# Altium PCB Hvamp_32.PCBDOC (part 1 of 6) (continued)
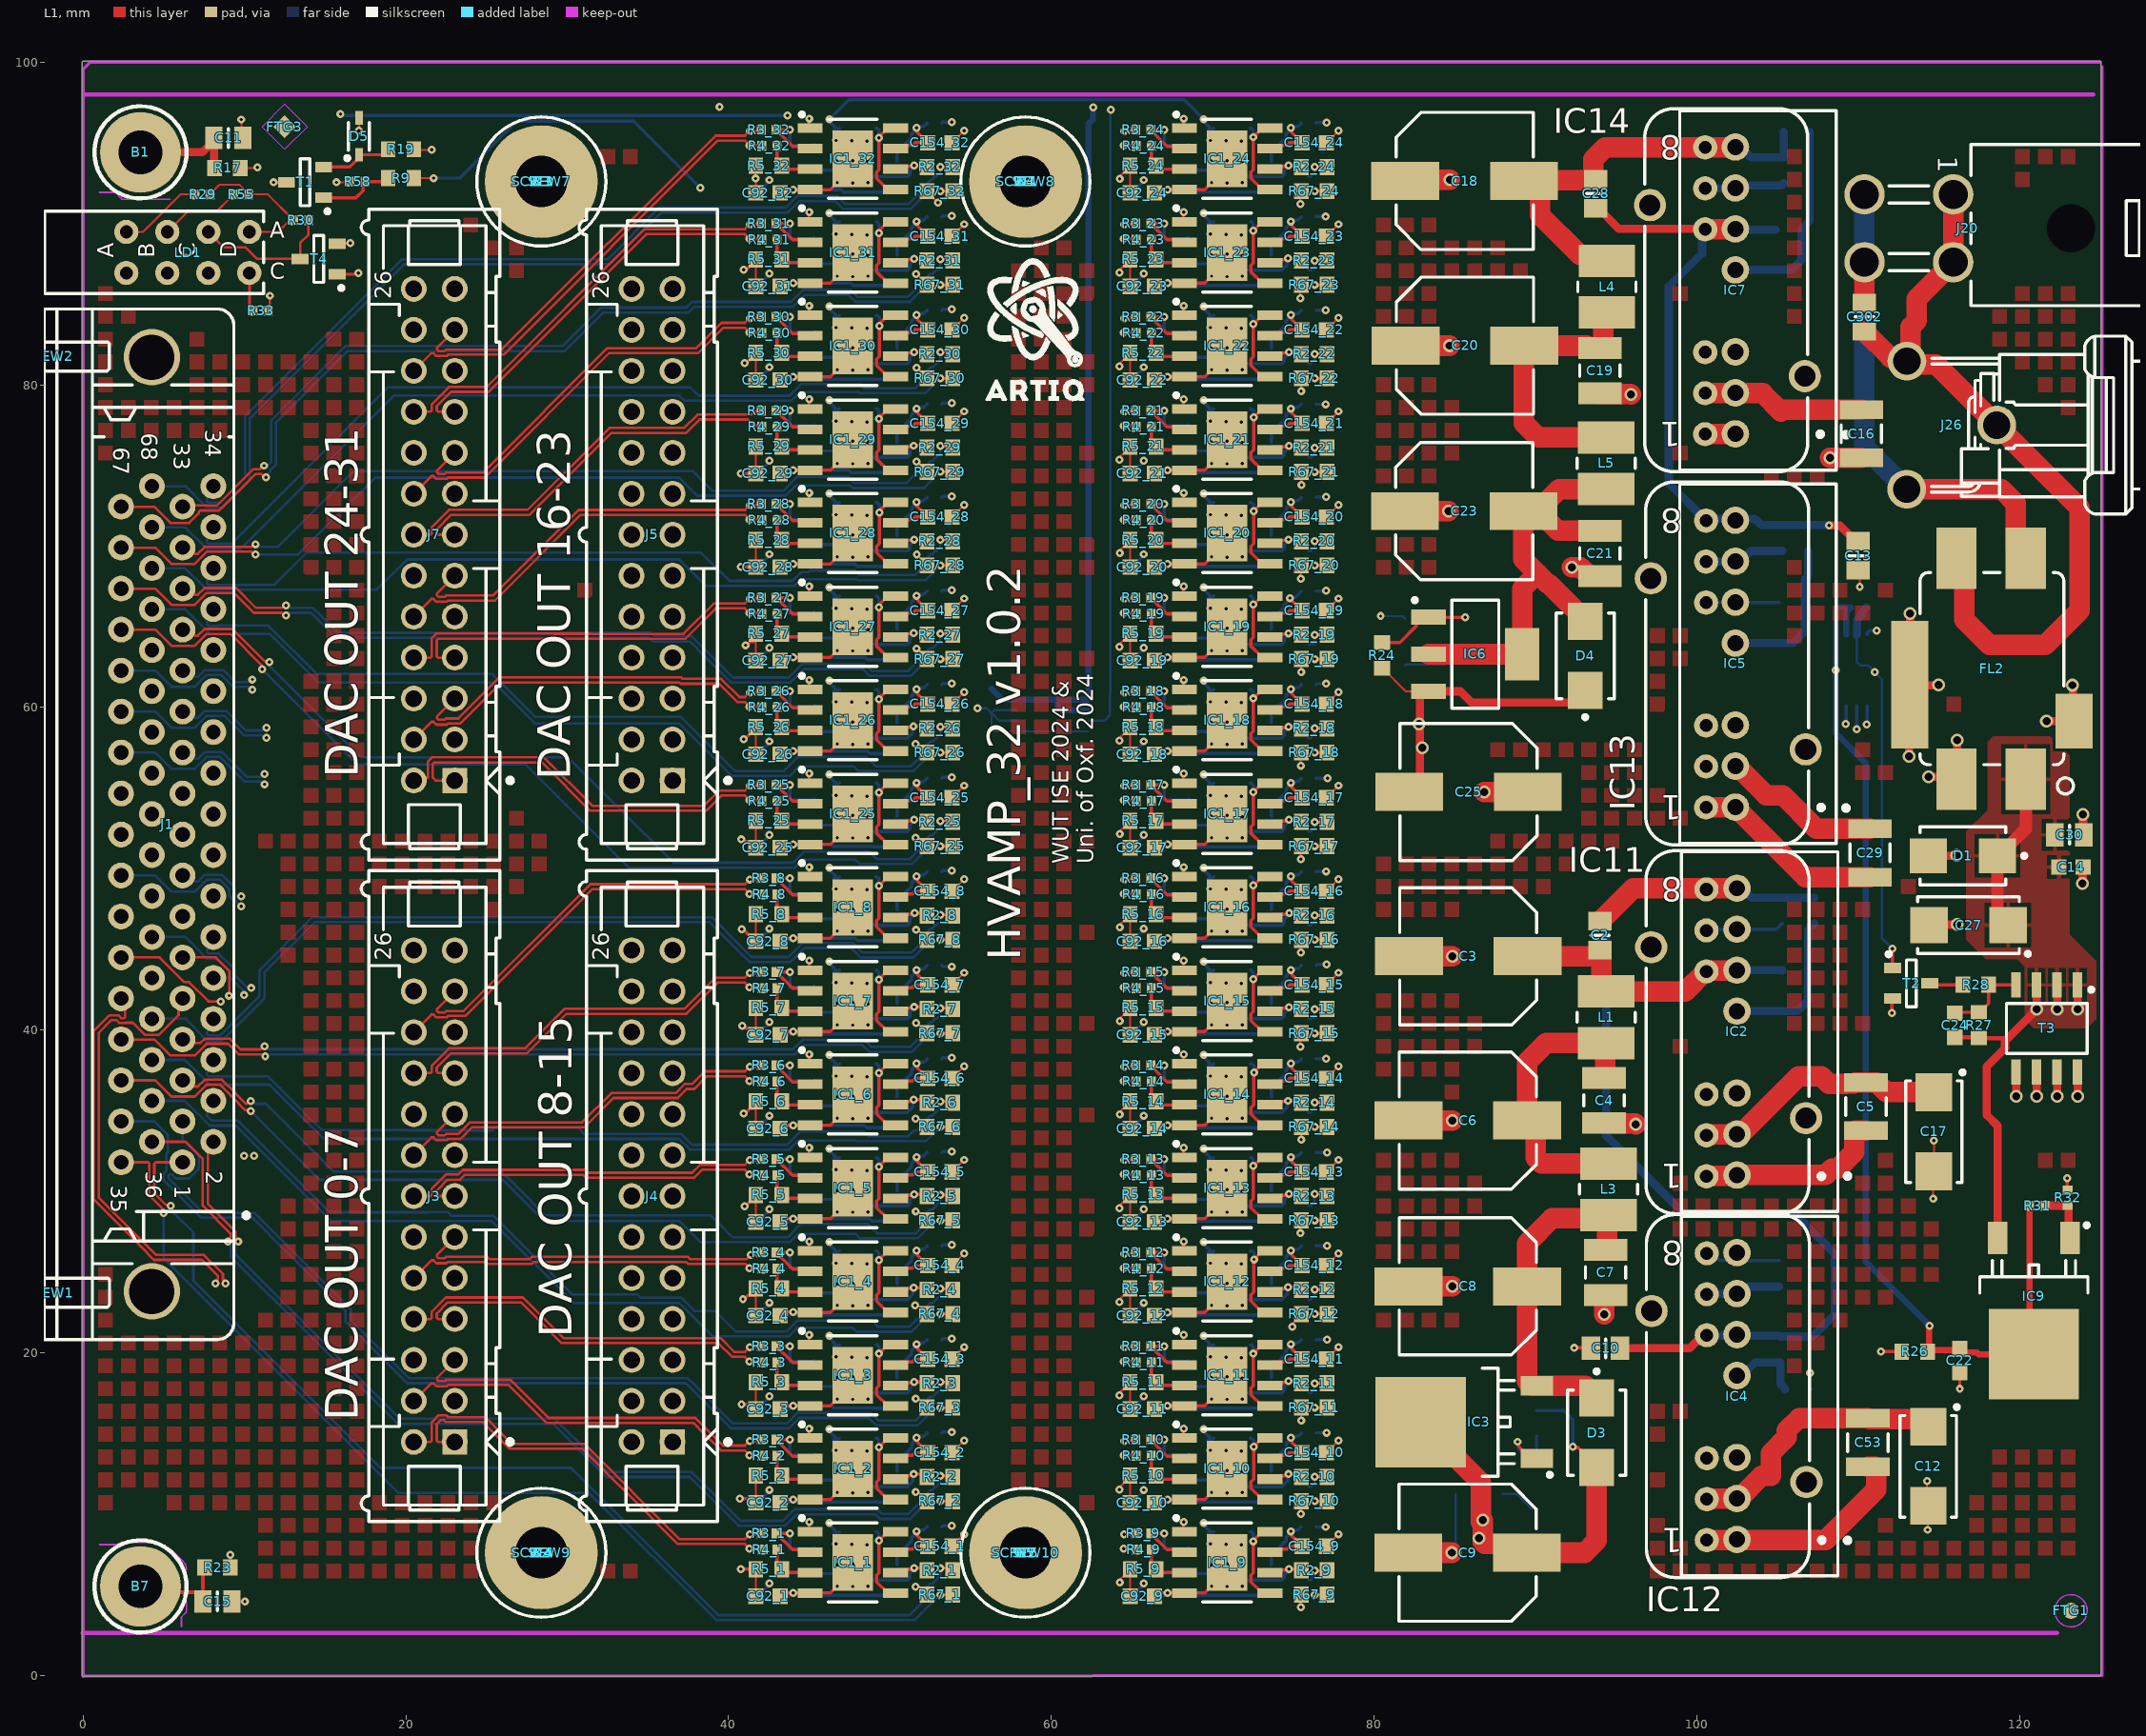
[diagram p0: L1 view]
## Classes and differential pairs
channel class Amp_channel: AMP_channel1 AMP_channel2 AMP_channel3 AMP_channel4 AMP_channel5 AMP_channel6 AMP_channel7 AMP_channel8 AMP_channel9 AMP_channel10 AMP_channel11 AMP_channel12 AMP_channel13 AMP_channel14 AMP_channel15 AMP_channel16 AMP_channel17 AMP_channel18 AMP_channel19 AMP_channel20 AMP_channel21 AMP_channel22 AMP_channel23 AMP_channel24 AMP_channel25 AMP_channel26 AMP_channel27 AMP_channel28 AMP_channel29 AMP_channel30 AMP_channel31 AMP_channel32
net class OUT_P[32..1]: OUT_P1 OUT_P2 OUT_P3 OUT_P4 OUT_P5 OUT_P6 OUT_P7 OUT_P8 OUT_P9 OUT_P10 OUT_P11 OUT_P12 OUT_P13 OUT_P14 OUT_P15 OUT_P16 OUT_P17 OUT_P18 OUT_P19 OUT_P20 OUT_P21 OUT_P22 OUT_P23 OUT_P24 OUT_P25 OUT_P26 OUT_P27 OUT_P28 OUT_P29 OUT_P30 OUT_P31 OUT_P32
net class OUT_N[32..1]: OUT_N1 OUT_N2 OUT_N3 OUT_N4 OUT_N5 OUT_N6 OUT_N7 OUT_N8 OUT_N9 OUT_N10 OUT_N11 OUT_N12 OUT_N13 OUT_N14 OUT_N15 OUT_N16 OUT_N17 OUT_N18 OUT_N19 OUT_N20 OUT_N21 OUT_N22 OUT_N23 OUT_N24 OUT_N25 OUT_N26 OUT_N27 OUT_N28 OUT_N29 OUT_N30 OUT_N31 OUT_N32
net class IN_P[32..1]: IN_P1 IN_P2 IN_P3 IN_P4 IN_P5 IN_P6 IN_P7 IN_P8 IN_P9 IN_P10 IN_P11 IN_P12 IN_P13 IN_P14 IN_P15 IN_P16 IN_P17 IN_P18 IN_P19 IN_P20 IN_P21 IN_P22 IN_P23 IN_P24 IN_P25 IN_P26 IN_P27 IN_P28 IN_P29 IN_P30 IN_P31 IN_P32
net class IN_N[32..1]: IN_N1 IN_N2 IN_N3 IN_N4 IN_N5 IN_N6 IN_N7 IN_N8 IN_N9 IN_N10 IN_N11 IN_N12 IN_N13 IN_N14 IN_N15 IN_N16 IN_N17 IN_N18 IN_N19 IN_N20 IN_N21 IN_N22 IN_N23 IN_N24 IN_N25 IN_N26 IN_N27 IN_N28 IN_N29 IN_N30 IN_N31 IN_N32
component class HVamp_32_Supply: B2 B3 B4 B5 C2 C3 C4 C5 C6 C7 C8 C9 C10 C12 C13 C14 C16 C17 C18 C19 C20 C21 C22 C23 C24 C25 C26 C27 C28 C29 C30 C53 C302 D1 D3 D4 D5 FL2 IC2 IC3 IC4 IC5 IC6 IC7 IC8 IC9 IC10 IC11 IC12 IC13 IC14 J20 J26 L1 L3 L4 L5 LD1 R6 R7 R8 R9 R10 R11 R12 R13 R14 R15 R16 R18 R19 R20 R21 R22 R24 R25 R26 R27 R28 R29 R30 R31 R32 R33 R34 R35 R46 R55 R58 T1 T2 T3 T4
component class AMP_channel32: C1_32 C92_32 C154_32 D2_32 D21_32 IC1_32 L2_32 L18_32 R1_32 R2_32 R3_32 R4_32 R5_32 R67_32
component class AMP_channel31: C1_31 C92_31 C154_31 D2_31 D21_31 IC1_31 L2_31 L18_31 R1_31 R2_31 R3_31 R4_31 R5_31 R67_31
component class AMP_channel30: C1_30 C92_30 C154_30 D2_30 D21_30 IC1_30 L2_30 L18_30 R1_30 R2_30 R3_30 R4_30 R5_30 R67_30
component class AMP_channel29: C1_29 C92_29 C154_29 D2_29 D21_29 IC1_29 L2_29 L18_29 R1_29 R2_29 R3_29 R4_29 R5_29 R67_29
component class AMP_channel28: C1_28 C92_28 C154_28 D2_28 D21_28 IC1_28 L2_28 L18_28 R1_28 R2_28 R3_28 R4_28 R5_28 R67_28
component class AMP_channel27: C1_27 C92_27 C154_27 D2_27 D21_27 IC1_27 L2_27 L18_27 R1_27 R2_27 R3_27 R4_27 R5_27 R67_27
component class AMP_channel26: C1_26 C92_26 C154_26 D2_26 D21_26 IC1_26 L2_26 L18_26 R1_26 R2_26 R3_26 R4_26 R5_26 R67_26
component class AMP_channel25: C1_25 C92_25 C154_25 D2_25 D21_25 IC1_25 L2_25 L18_25 R1_25 R2_25 R3_25 R4_25 R5_25 R67_25
component class AMP_channel24: C1_24 C92_24 C154_24 D2_24 D21_24 IC1_24 L2_24 L18_24 R1_24 R2_24 R3_24 R4_24 R5_24 R67_24
component class AMP_channel23: C1_23 C92_23 C154_23 D2_23 D21_23 IC1_23 L2_23 L18_23 R1_23 R2_23 R3_23 R4_23 R5_23 R67_23
component class AMP_channel22: C1_22 C92_22 C154_22 D2_22 D21_22 IC1_22 L2_22 L18_22 R1_22 R2_22 R3_22 R4_22 R5_22 R67_22
component class AMP_channel21: C1_21 C92_21 C154_21 D2_21 D21_21 IC1_21 L2_21 L18_21 R1_21 R2_21 R3_21 R4_21 R5_21 R67_21
component class AMP_channel20: C1_20 C92_20 C154_20 D2_20 D21_20 IC1_20 L2_20 L18_20 R1_20 R2_20 R3_20 R4_20 R5_20 R67_20
component class AMP_channel19: C1_19 C92_19 C154_19 D2_19 D21_19 IC1_19 L2_19 L18_19 R1_19 R2_19 R3_19 R4_19 R5_19 R67_19
component class AMP_channel18: C1_18 C92_18 C154_18 D2_18 D21_18 IC1_18 L2_18 L18_18 R1_18 R2_18 R3_18 R4_18 R5_18 R67_18
component class AMP_channel17: C1_17 C92_17 C154_17 D2_17 D21_17 IC1_17 L2_17 L18_17 R1_17 R2_17 R3_17 R4_17 R5_17 R67_17
component class AMP_channel16: C1_16 C92_16 C154_16 D2_16 D21_16 IC1_16 L2_16 L18_16 R1_16 R2_16 R3_16 R4_16 R5_16 R67_16
component class AMP_channel15: C1_15 C92_15 C154_15 D2_15 D21_15 IC1_15 L2_15 L18_15 R1_15 R2_15 R3_15 R4_15 R5_15 R67_15
component class AMP_channel14: C1_14 C92_14 C154_14 D2_14 D21_14 IC1_14 L2_14 L18_14 R1_14 R2_14 R3_14 R4_14 R5_14 R67_14
component class AMP_channel13: C1_13 C92_13 C154_13 D2_13 D21_13 IC1_13 L2_13 L18_13 R1_13 R2_13 R3_13 R4_13 R5_13 R67_13
component class AMP_channel12: C1_12 C92_12 C154_12 D2_12 D21_12 IC1_12 L2_12 L18_12 R1_12 R2_12 R3_12 R4_12 R5_12 R67_12
component class AMP_channel11: C1_11 C92_11 C154_11 D2_11 D21_11 IC1_11 L2_11 L18_11 R1_11 R2_11 R3_11 R4_11 R5_11 R67_11
component class AMP_channel10: C1_10 C92_10 C154_10 D2_10 D21_10 IC1_10 L2_10 L18_10 R1_10 R2_10 R3_10 R4_10 R5_10 R67_10
component class AMP_channel9: C1_9 C92_9 C154_9 D2_9 D21_9 IC1_9 L2_9 L18_9 R1_9 R2_9 R3_9 R4_9 R5_9 R67_9
component class AMP_channel8: C1_8 C92_8 C154_8 D2_8 D21_8 IC1_8 L2_8 L18_8 R1_8 R2_8 R3_8 R4_8 R5_8 R67_8
component class AMP_channel7: C1_7 C92_7 C154_7 D2_7 D21_7 IC1_7 L2_7 L18_7 R1_7 R2_7 R3_7 R4_7 R5_7 R67_7
component class AMP_channel6: C1_6 C92_6 C154_6 D2_6 D21_6 IC1_6 L2_6 L18_6 R1_6 R2_6 R3_6 R4_6 R5_6 R67_6
component class AMP_channel5: C1_5 C92_5 C154_5 D2_5 D21_5 IC1_5 L2_5 L18_5 R1_5 R2_5 R3_5 R4_5 R5_5 R67_5
component class AMP_channel4: C1_4 C92_4 C154_4 D2_4 D21_4 IC1_4 L2_4 L18_4 R1_4 R2_4 R3_4 R4_4 R5_4 R67_4
component class AMP_channel3: C1_3 C92_3 C154_3 D2_3 D21_3 IC1_3 L2_3 L18_3 R1_3 R2_3 R3_3 R4_3 R5_3 R67_3
component class AMP_channel2: C1_2 C92_2 C154_2 D2_2 D21_2 IC1_2 L2_2 L18_2 R1_2 R2_2 R3_2 R4_2 R5_2 R67_2
component class AMP_channel1: C1_1 C92_1 C154_1 D2_1 D21_1 IC1_1 L2_1 L18_1 R1_1 R2_1 R3_1 R4_1 R5_1 R67_1
net class Hpower: P12V0 P12V0_SW
component class Hvamp_32: B1 B7 B? C11 C15 FTG1 FTG2 FTG3 FTG4 J1 J2 J3 J4 J5 J6 J7 J8 J9 R17 R23 SCREW1 SCREW2 SCREW3 SCREW4 SCREW5 SCREW6 SCREW7 SCREW8 SCREW9 SCREW10 ST1 ST3 ST4 ST5 W1 W2 W3 W4
differential pair IN32: +IN_P32 -IN_N32
differential pair IN31: +IN_P31 -IN_N31
differential pair IN30: +IN_P30 -IN_N30
differential pair IN29: +IN_P29 -IN_N29
differential pair IN28: +IN_P28 -IN_N28
differential pair IN27: +IN_P27 -IN_N27
differential pair IN26: +IN_P26 -IN_N26
differential pair IN25: +IN_P25 -IN_N25
differential pair IN24: +IN_P24 -IN_N24
differential pair IN23: +IN_P23 -IN_N23
differential pair IN22: +IN_P22 -IN_N22
differential pair IN21: +IN_P21 -IN_N21
differential pair IN20: +IN_P20 -IN_N20
differential pair IN19: +IN_P19 -IN_N19
differential pair IN18: +IN_P18 -IN_N18
differential pair IN17: +IN_P17 -IN_N17
differential pair IN16: +IN_P16 -IN_N16
differential pair IN15: +IN_P15 -IN_N15
differential pair IN14: +IN_P14 -IN_N14
differential pair IN13: +IN_P13 -IN_N13
differential pair IN12: +IN_P12 -IN_N12
differential pair IN11: +IN_P11 -IN_N11
differential pair IN10: +IN_P10 -IN_N10
differential pair IN9: +IN_P9 -IN_N9
differential pair IN8: +IN_P8 -IN_N8
differential pair IN7: +IN_P7 -IN_N7
differential pair IN6: +IN_P6 -IN_N6
differential pair IN5: +IN_P5 -IN_N5
differential pair IN4: +IN_P4 -IN_N4
differential pair IN3: +IN_P3 -IN_N3
differential pair IN2: +IN_P2 -IN_N2
differential pair IN1: +IN_P1 -IN_N1
differential pair OUT32: +OUT_P32 -OUT_N32
differential pair OUT31: +OUT_P31 -OUT_N31
differential pair OUT30: +OUT_P30 -OUT_N30
differential pair OUT29: +OUT_P29 -OUT_N29
differential pair OUT28: +OUT_P28 -OUT_N28
differential pair OUT27: +OUT_P27 -OUT_N27
differential pair OUT26: +OUT_P26 -OUT_N26
differential pair OUT25: +OUT_P25 -OUT_N25
differential pair OUT24: +OUT_P24 -OUT_N24
differential pair OUT23: +OUT_P23 -OUT_N23
differential pair OUT22: +OUT_P22 -OUT_N22
differential pair OUT21: +OUT_P21 -OUT_N21
differential pair OUT20: +OUT_P20 -OUT_N20
differential pair OUT19: +OUT_P19 -OUT_N19
differential pair OUT18: +OUT_P18 -OUT_N18
differential pair OUT17: +OUT_P17 -OUT_N17
differential pair OUT16: +OUT_P16 -OUT_N16
differential pair OUT15: +OUT_P15 -OUT_N15
differential pair OUT14: +OUT_P14 -OUT_N14
differential pair OUT13: +OUT_P13 -OUT_N13
differential pair OUT12: +OUT_P12 -OUT_N12
differential pair OUT11: +OUT_P11 -OUT_N11
differential pair OUT10: +OUT_P10 -OUT_N10
differential pair OUT9: +OUT_P9 -OUT_N9
differential pair OUT8: +OUT_P8 -OUT_N8
differential pair OUT7: +OUT_P7 -OUT_N7
differential pair OUT6: +OUT_P6 -OUT_N6
differential pair OUT5: +OUT_P5 -OUT_N5
differential pair OUT4: +OUT_P4 -OUT_N4
differential pair OUT3: +OUT_P3 -OUT_N3
differential pair OUT2: +OUT_P2 -OUT_N2
differential pair OUT1: +OUT_P1 -OUT_N1

## Components (designator, comment, footprint, x,y, rotation, side; value= is the part's Value field where it differs from the comment)
B1 "Plated Hole" MTG270_500 3.556,94.412 r0 top locked
B2 "Plated Hole" MTG320_700 28.4,7.6 r0 top locked
B3 "Plated Hole" MTG320_700 28.4,92.6 r0 top locked
B4 "Plated Hole" MTG320_700 58.4,92.6 r0 top locked
B5 "Plated Hole" MTG320_700 58.4,7.6 r0 top locked
B7 "Plated Hole" MTG270_500 3.556,5.512 r0 top locked
C1_1 "5.6pF" CAPC1608X87N 43.8,7.1 r270 bottom (schematic designator C1)
C1_2 "5.6pF" CAPC1608X87N 43.8,12.9 r270 bottom (schematic designator C1)
C1_3 "5.6pF" CAPC1608X87N 43.8,18.7 r270 bottom (schematic designator C1)
C1_4 "5.6pF" CAPC1608X87N 43.8,24.5 r270 bottom (schematic designator C1)
C1_5 "5.6pF" CAPC1608X87N 43.8,30.3 r270 bottom (schematic designator C1)
C1_6 "5.6pF" CAPC1608X87N 43.8,36.1 r270 bottom (schematic designator C1)
C1_7 "5.6pF" CAPC1608X87N 43.8,41.9 r270 bottom (schematic designator C1)
C1_8 "5.6pF" CAPC1608X87N 43.8,47.7 r270 bottom (schematic designator C1)
C1_9 "5.6pF" CAPC1608X87N 67,7.1 r270 bottom (schematic designator C1)
C1_10 "5.6pF" CAPC1608X87N 67,12.9 r270 bottom (schematic designator C1)
C1_11 "5.6pF" CAPC1608X87N 67,18.7 r270 bottom (schematic designator C1)
C1_12 "5.6pF" CAPC1608X87N 67,24.5 r270 bottom (schematic designator C1)
C1_13 "5.6pF" CAPC1608X87N 67,30.3 r270 bottom (schematic designator C1)
C1_14 "5.6pF" CAPC1608X87N 67,36.1 r270 bottom (schematic designator C1)
C1_15 "5.6pF" CAPC1608X87N 67,41.9 r270 bottom (schematic designator C1)
C1_16 "5.6pF" CAPC1608X87N 67,47.7 r270 bottom (schematic designator C1)
C1_17 "5.6pF" CAPC1608X87N 67,53.5 r270 bottom (schematic designator C1)
C1_18 "5.6pF" CAPC1608X87N 67,59.3 r270 bottom (schematic designator C1)
C1_19 "5.6pF" CAPC1608X87N 67,65.1 r270 bottom (schematic designator C1)
C1_20 "5.6pF" CAPC1608X87N 67,70.9 r270 bottom (schematic designator C1)
C1_21 "5.6pF" CAPC1608X87N 67,76.7 r270 bottom (schematic designator C1)
C1_22 "5.6pF" CAPC1608X87N 67,82.5 r270 bottom (schematic designator C1)
C1_23 "5.6pF" CAPC1608X87N 67,88.3 r270 bottom (schematic designator C1)
C1_24 "5.6pF" CAPC1608X87N 67,94.1 r270 bottom (schematic designator C1)
C1_25 "5.6pF" CAPC1608X87N 43.8,53.5 r270 bottom (schematic designator C1)
C1_26 "5.6pF" CAPC1608X87N 43.8,59.3 r270 bottom (schematic designator C1)
C1_27 "5.6pF" CAPC1608X87N 43.8,65.1 r270 bottom (schematic designator C1)
C1_28 "5.6pF" CAPC1608X87N 43.8,70.9 r270 bottom (schematic designator C1)
C1_29 "5.6pF" CAPC1608X87N 43.8,76.7 r270 bottom (schematic designator C1)
C1_30 "5.6pF" CAPC1608X87N 43.8,82.5 r270 bottom (schematic designator C1)
C1_31 "5.6pF" CAPC1608X87N 43.8,88.3 r270 bottom (schematic designator C1)
C1_32 "5.6pF" CAPC1608X87N 43.8,94.1 r270 bottom (schematic designator C1)
C2 "10uF" CAPC2012X145N 94.005,45.858 r270 top
C3 "4.7uF" CAPAE9383X100M 85.844,44.577 r180 top
C4 "2.2uF" CAPC3225X230N 94.259,35.636 r270 top
C5 "47uF" CAPC3225X270N 110.49,35.255 r90 top
C6 "4.7uF" CAPAE9383X100M 85.819,34.392 r180 top
C7 "2.2uF" CAPC3225X230N 94.361,24.968 r270 top
C8 "4.7uF" CAPAE9383X100M 85.819,24.105 r180 top
C9 "4.7uF" CAPAE9383X100M 85.8,7.6 r180 top
C10 "10uF" CAPC2012X145N 94.361,20.269 r0 top
C11 "Undefined" CAPC2012X135N 9,95.3 r0 top
C12 "10uF" CAPMP6032X280N 114.351,12.954 r270 top
C13 "10uF" CAPC2012X145N 110,69.4 r270 top
C14 "100nF" CAPC1608X90N 123.2,50.1 r180 top
C15 "Undefined" CAPC2012X135N 8.324,4.581 r0 top
C16 "47uF" CAPC3225X270N 110.211,76.962 r90 top
C17 "10uF" CAPMP6032X280N 114.7,33.7 r270 top
C18 "4.7uF" CAPAE9383X100M 85.615,92.634 r0 top
C19 "2.2uF" CAPC3225X230N 94.005,80.874 r90 top
C20 "4.7uF" CAPAE9383X100M 85.641,82.423 r0 top
C21 "2.2uF" CAPC3225X230N 94.005,69.545 r90 top
C22 "100nF" CAPC1608X90N 116.3,19.5 r90 top
C23 "4.7uF" CAPAE9383X100M 85.59,72.161 r0 top
C24 "100nF" CAPC1608X90N 116,40.3 r90 top
C25 "4.7uF" CAPAE9383X100M 85.869,54.762 r180 top
C26 "100nF" CAPC1608X90N 56.3,60.4 r90 bottom
C27 "10uF" CAPMP6032X280N 116.85,46.5 r180 top
C28 "10uF" CAPC2012X145N 93.751,91.846 r270 top
C29 "47uF" CAPC3225X270N 110.744,50.978 r90 top
C30 "10uF" CAPC2012X95N 123.1,52.1 r180 top
C53 "47uF" CAPC3225X270N 110.617,14.427 r90 top
C92_1 "100nF" CAPC1608X90N 42.443,4.897 r0 top (schematic designator C92)
C92_2 "100nF" CAPC1608X90N 42.443,10.697 r0 top (schematic designator C92)
C92_3 "100nF" CAPC1608X90N 42.443,16.497 r0 top (schematic designator C92)
C92_4 "100nF" CAPC1608X90N 42.443,22.297 r0 top (schematic designator C92)
C92_5 "100nF" CAPC1608X90N 42.443,28.097 r0 top (schematic designator C92)
C92_6 "100nF" CAPC1608X90N 42.443,33.897 r0 top (schematic designator C92)
C92_7 "100nF" CAPC1608X90N 42.443,39.697 r0 top (schematic designator C92)
C92_8 "100nF" CAPC1608X90N 42.443,45.497 r0 top (schematic designator C92)
C92_9 "100nF" CAPC1608X90N 65.643,4.897 r0 top (schematic designator C92)
C92_10 "100nF" CAPC1608X90N 65.643,10.697 r0 top (schematic designator C92)
C92_11 "100nF" CAPC1608X90N 65.643,16.497 r0 top (schematic designator C92)
C92_12 "100nF" CAPC1608X90N 65.643,22.297 r0 top (schematic designator C92)
C92_13 "100nF" CAPC1608X90N 65.643,28.097 r0 top (schematic designator C92)
C92_14 "100nF" CAPC1608X90N 65.643,33.897 r0 top (schematic designator C92)
C92_15 "100nF" CAPC1608X90N 65.643,39.697 r0 top (schematic designator C92)
C92_16 "100nF" CAPC1608X90N 65.643,45.497 r0 top (schematic designator C92)
C92_17 "100nF" CAPC1608X90N 65.643,51.297 r0 top (schematic designator C92)
C92_18 "100nF" CAPC1608X90N 65.643,57.097 r0 top (schematic designator C92)
C92_19 "100nF" CAPC1608X90N 65.643,62.897 r0 top (schematic designator C92)
C92_20 "100nF" CAPC1608X90N 65.643,68.697 r0 top (schematic designator C92)
C92_21 "100nF" CAPC1608X90N 65.643,74.497 r0 top (schematic designator C92)
C92_22 "100nF" CAPC1608X90N 65.643,80.297 r0 top (schematic designator C92)
C92_23 "100nF" CAPC1608X90N 65.643,86.097 r0 top (schematic designator C92)
C92_24 "100nF" CAPC1608X90N 65.643,91.897 r0 top (schematic designator C92)
C92_25 "100nF" CAPC1608X90N 42.443,51.297 r0 top (schematic designator C92)
C92_26 "100nF" CAPC1608X90N 42.443,57.097 r0 top (schematic designator C92)
C92_27 "100nF" CAPC1608X90N 42.443,62.897 r0 top (schematic designator C92)
C92_28 "100nF" CAPC1608X90N 42.443,68.697 r0 top (schematic designator C92)
C92_29 "100nF" CAPC1608X90N 42.443,74.497 r0 top (schematic designator C92)
C92_30 "100nF" CAPC1608X90N 42.443,80.297 r0 top (schematic designator C92)
C92_31 "100nF" CAPC1608X90N 42.443,86.097 r0 top (schematic designator C92)
C92_32 "100nF" CAPC1608X90N 42.443,91.897 r0 top (schematic designator C92)
C154_1 "100nF" CAPC1608X90N 53.1,8 r180 top (schematic designator C154)
C154_2 "100nF" CAPC1608X90N 53.1,13.8 r180 top (schematic designator C154)
C154_3 "100nF" CAPC1608X90N 53.1,19.6 r180 top (schematic designator C154)
C154_4 "100nF" CAPC1608X90N 53.1,25.4 r180 top (schematic designator C154)
C154_5 "100nF" CAPC1608X90N 53.1,31.2 r180 top (schematic designator C154)
C154_6 "100nF" CAPC1608X90N 53.1,37 r180 top (schematic designator C154)
C154_7 "100nF" CAPC1608X90N 53.1,42.8 r180 top (schematic designator C154)
C154_8 "100nF" CAPC1608X90N 53.1,48.6 r180 top (schematic designator C154)
C154_9 "100nF" CAPC1608X90N 76.3,8 r180 top (schematic designator C154)
C154_10 "100nF" CAPC1608X90N 76.3,13.8 r180 top (schematic designator C154)
C154_11 "100nF" CAPC1608X90N 76.3,19.6 r180 top (schematic designator C154)
C154_12 "100nF" CAPC1608X90N 76.3,25.4 r180 top (schematic designator C154)
C154_13 "100nF" CAPC1608X90N 76.3,31.2 r180 top (schematic designator C154)
C154_14 "100nF" CAPC1608X90N 76.3,37 r180 top (schematic designator C154)
C154_15 "100nF" CAPC1608X90N 76.3,42.8 r180 top (schematic designator C154)
C154_16 "100nF" CAPC1608X90N 76.3,48.6 r180 top (schematic designator C154)
C154_17 "100nF" CAPC1608X90N 76.3,54.4 r180 top (schematic designator C154)
C154_18 "100nF" CAPC1608X90N 76.3,60.2 r180 top (schematic designator C154)
C154_19 "100nF" CAPC1608X90N 76.3,66 r180 top (schematic designator C154)
C154_20 "100nF" CAPC1608X90N 76.3,71.8 r180 top (schematic designator C154)
C154_21 "100nF" CAPC1608X90N 76.3,77.6 r180 top (schematic designator C154)
C154_22 "100nF" CAPC1608X90N 76.3,83.4 r180 top (schematic designator C154)
C154_23 "100nF" CAPC1608X90N 76.3,89.2 r180 top (schematic designator C154)
C154_24 "100nF" CAPC1608X90N 76.3,95 r180 top (schematic designator C154)
C154_25 "100nF" CAPC1608X90N 53.1,54.4 r180 top (schematic designator C154)
C154_26 "100nF" CAPC1608X90N 53.1,60.2 r180 top (schematic designator C154)
C154_27 "100nF" CAPC1608X90N 53.1,66 r180 top (schematic designator C154)
C154_28 "100nF" CAPC1608X90N 53.1,71.8 r180 top (schematic designator C154)
C154_29 "100nF" CAPC1608X90N 53.1,77.6 r180 top (schematic designator C154)
C154_30 "100nF" CAPC1608X90N 53.1,83.4 r180 top (schematic designator C154)
C154_31 "100nF" CAPC1608X90N 53.1,89.2 r180 top (schematic designator C154)
C154_32 "100nF" CAPC1608X90N 53.1,95 r180 top (schematic designator C154)
C302 "10uF" CAPC2012X95N 110.4,84.2 r90 top
D1 "SMBJ12A" DIOM5336X265N 116.5,50.8 r180 top
D2_1 "1N4148WS" SODFL2512X100N 48,8.9 r180 bottom (schematic designator D2)
D2_2 "1N4148WS" SODFL2512X100N 48,14.7 r180 bottom (schematic designator D2)
D2_3 "1N4148WS" SODFL2512X100N 48,20.5 r180 bottom (schematic designator D2)
D2_4 "1N4148WS" SODFL2512X100N 48,26.3 r180 bottom (schematic designator D2)
D2_5 "1N4148WS" SODFL2512X100N 48,32.1 r180 bottom (schematic designator D2)
D2_6 "1N4148WS" SODFL2512X100N 48,37.9 r180 bottom (schematic designator D2)
D2_7 "1N4148WS" SODFL2512X100N 48,43.7 r180 bottom (schematic designator D2)
D2_8 "1N4148WS" SODFL2512X100N 48,49.5 r180 bottom (schematic designator D2)
D2_9 "1N4148WS" SODFL2512X100N 71.2,8.9 r180 bottom (schematic designator D2)
D2_10 "1N4148WS" SODFL2512X100N 71.2,14.7 r180 bottom (schematic designator D2)
D2_11 "1N4148WS" SODFL2512X100N 71.2,20.5 r180 bottom (schematic designator D2)
D2_12 "1N4148WS" SODFL2512X100N 71.2,26.3 r180 bottom (schematic designator D2)
D2_13 "1N4148WS" SODFL2512X100N 71.2,32.1 r180 bottom (schematic designator D2)
D2_14 "1N4148WS" SODFL2512X100N 71.2,37.9 r180 bottom (schematic designator D2)
D2_15 "1N4148WS" SODFL2512X100N 71.2,43.7 r180 bottom (schematic designator D2)
D2_16 "1N4148WS" SODFL2512X100N 71.2,49.5 r180 bottom (schematic designator D2)
D2_17 "1N4148WS" SODFL2512X100N 71.2,55.3 r180 bottom (schematic designator D2)
D2_18 "1N4148WS" SODFL2512X100N 71.2,61.1 r180 bottom (schematic designator D2)
D2_19 "1N4148WS" SODFL2512X100N 71.2,66.9 r180 bottom (schematic designator D2)
D2_20 "1N4148WS" SODFL2512X100N 71.2,72.7 r180 bottom (schematic designator D2)
D2_21 "1N4148WS" SODFL2512X100N 71.2,78.5 r180 bottom (schematic designator D2)
D2_22 "1N4148WS" SODFL2512X100N 71.2,84.3 r180 bottom (schematic designator D2)
D2_23 "1N4148WS" SODFL2512X100N 71.2,90.1 r180 bottom (schematic designator D2)
D2_24 "1N4148WS" SODFL2512X100N 71.2,95.9 r180 bottom (schematic designator D2)
D2_25 "1N4148WS" SODFL2512X100N 48,55.3 r180 bottom (schematic designator D2)
D2_26 "1N4148WS" SODFL2512X100N 48,61.1 r180 bottom (schematic designator D2)
D2_27 "1N4148WS" SODFL2512X100N 48,66.9 r180 bottom (schematic designator D2)
D2_28 "1N4148WS" SODFL2512X100N 48,72.7 r180 bottom (schematic designator D2)
D2_29 "1N4148WS" SODFL2512X100N 48,78.5 r180 bottom (schematic designator D2)
D2_30 "1N4148WS" SODFL2512X100N 48,84.3 r180 bottom (schematic designator D2)
D2_31 "1N4148WS" SODFL2512X100N 48,90.1 r180 bottom (schematic designator D2)
D2_32 "1N4148WS" SODFL2512X100N 48,95.9 r180 bottom (schematic designator D2)
D3 "SMBJ15A" DIOM5336X265N 93.802,15.037 r270 top
D4 "SMBJ15A" DIOM5336X265N 93.091,63.195 r90 top
D5 "1N4148WS" SODFL2512X100N 17.1,95.4 r90 top
D21_1 "BAS31" SOT95P240X130-3N 51.6,5.9 r0 bottom (schematic designator D21)
D21_2 "BAS31" SOT95P240X130-3N 51.6,11.7 r0 bottom (schematic designator D21)
D21_3 "BAS31" SOT95P240X130-3N 51.6,17.5 r0 bottom (schematic designator D21)
D21_4 "BAS31" SOT95P240X130-3N 51.6,23.3 r0 bottom (schematic designator D21)
D21_5 "BAS31" SOT95P240X130-3N 51.6,29.1 r0 bottom (schematic designator D21)
D21_6 "BAS31" SOT95P240X130-3N 51.6,34.9 r0 bottom (schematic designator D21)
D21_7 "BAS31" SOT95P240X130-3N 51.6,40.7 r0 bottom (schematic designator D21)
D21_8 "BAS31" SOT95P240X130-3N 51.6,46.5 r0 bottom (schematic designator D21)
D21_9 "BAS31" SOT95P240X130-3N 74.8,5.9 r0 bottom (schematic designator D21)
D21_10 "BAS31" SOT95P240X130-3N 74.8,11.7 r0 bottom (schematic designator D21)
D21_11 "BAS31" SOT95P240X130-3N 74.8,17.5 r0 bottom (schematic designator D21)
D21_12 "BAS31" SOT95P240X130-3N 74.8,23.3 r0 bottom (schematic designator D21)
D21_13 "BAS31" SOT95P240X130-3N 74.8,29.1 r0 bottom (schematic designator D21)
D21_14 "BAS31" SOT95P240X130-3N 74.8,34.9 r0 bottom (schematic designator D21)
D21_15 "BAS31" SOT95P240X130-3N 74.8,40.7 r0 bottom (schematic designator D21)
D21_16 "BAS31" SOT95P240X130-3N 74.8,46.5 r0 bottom (schematic designator D21)
D21_17 "BAS31" SOT95P240X130-3N 74.8,52.3 r0 bottom (schematic designator D21)
D21_18 "BAS31" SOT95P240X130-3N 74.8,58.1 r0 bottom (schematic designator D21)
D21_19 "BAS31" SOT95P240X130-3N 74.8,63.9 r0 bottom (schematic designator D21)
D21_20 "BAS31" SOT95P240X130-3N 74.8,69.7 r0 bottom (schematic designator D21)
D21_21 "BAS31" SOT95P240X130-3N 74.8,75.5 r0 bottom (schematic designator D21)
D21_22 "BAS31" SOT95P240X130-3N 74.8,81.3 r0 bottom (schematic designator D21)
D21_23 "BAS31" SOT95P240X130-3N 74.8,87.1 r0 bottom (schematic designator D21)
D21_24 "BAS31" SOT95P240X130-3N 74.8,92.9 r0 bottom (schematic designator D21)
D21_25 "BAS31" SOT95P240X130-3N 51.6,52.3 r0 bottom (schematic designator D21)
D21_26 "BAS31" SOT95P240X130-3N 51.6,58.1 r0 bottom (schematic designator D21)
D21_27 "BAS31" SOT95P240X130-3N 51.6,63.9 r0 bottom (schematic designator D21)
D21_28 "BAS31" SOT95P240X130-3N 51.6,69.7 r0 bottom (schematic designator D21)
D21_29 "BAS31" SOT95P240X130-3N 51.6,75.5 r0 bottom (schematic designator D21)
D21_30 "BAS31" SOT95P240X130-3N 51.6,81.3 r0 bottom (schematic designator D21)
D21_31 "BAS31" SOT95P240X130-3N 51.6,87.1 r0 bottom (schematic designator D21)
D21_32 "BAS31" SOT95P240X130-3N 51.6,92.9 r0 bottom (schematic designator D21)
FL2 "10A/50VDC" FIL_MURATA_BNX02 118.3,62.4 r270 top
FTG1 "Use only in PCB" FIDUCIAL_TOP_C100-200 123.2,4 r90 top
FTG2 "Use only in PCB" FIDUCIAL_TOP_S100-200 12.5,96 r90 bottom
FTG3 "Use only in PCB" FIDUCIAL_TOP_S100-200 12.5,96 r90 top
FTG4 "Use only in PCB" FIDUCIAL_TOP_S100-200 123.2,4.3 r90 bottom
IC1_1 "LTC6090CS8E#PBF" SOIC127P599X175-9N-R249X350 47.7,7 r0 top (schematic designator IC1)
IC1_2 "LTC6090CS8E#PBF" SOIC127P599X175-9N-R249X350 47.7,12.8 r0 top (schematic designator IC1)
IC1_3 "LTC6090CS8E#PBF" SOIC127P599X175-9N-R249X350 47.7,18.6 r0 top (schematic designator IC1)
IC1_4 "LTC6090CS8E#PBF" SOIC127P599X175-9N-R249X350 47.7,24.4 r0 top (schematic designator IC1)
IC1_5 "LTC6090CS8E#PBF" SOIC127P599X175-9N-R249X350 47.7,30.2 r0 top (schematic designator IC1)
IC1_6 "LTC6090CS8E#PBF" SOIC127P599X175-9N-R249X350 47.7,36 r0 top (schematic designator IC1)
IC1_7 "LTC6090CS8E#PBF" SOIC127P599X175-9N-R249X350 47.7,41.8 r0 top (schematic designator IC1)
IC1_8 "LTC6090CS8E#PBF" SOIC127P599X175-9N-R249X350 47.7,47.6 r0 top (schematic designator IC1)
IC1_9 "LTC6090CS8E#PBF" SOIC127P599X175-9N-R249X350 70.9,7 r0 top (schematic designator IC1)
IC1_10 "LTC6090CS8E#PBF" SOIC127P599X175-9N-R249X350 70.9,12.8 r0 top (schematic designator IC1)
IC1_11 "LTC6090CS8E#PBF" SOIC127P599X175-9N-R249X350 70.9,18.6 r0 top (schematic designator IC1)
IC1_12 "LTC6090CS8E#PBF" SOIC127P599X175-9N-R249X350 70.9,24.4 r0 top (schematic designator IC1)
IC1_13 "LTC6090CS8E#PBF" SOIC127P599X175-9N-R249X350 70.9,30.2 r0 top (schematic designator IC1)
IC1_14 "LTC6090CS8E#PBF" SOIC127P599X175-9N-R249X350 70.9,36 r0 top (schematic designator IC1)
IC1_15 "LTC6090CS8E#PBF" SOIC127P599X175-9N-R249X350 70.9,41.8 r0 top (schematic designator IC1)
IC1_16 "LTC6090CS8E#PBF" SOIC127P599X175-9N-R249X350 70.9,47.6 r0 top (schematic designator IC1)
IC1_17 "LTC6090CS8E#PBF" SOIC127P599X175-9N-R249X350 70.9,53.4 r0 top (schematic designator IC1)
IC1_18 "LTC6090CS8E#PBF" SOIC127P599X175-9N-R249X350 70.9,59.2 r0 top (schematic designator IC1)
IC1_19 "LTC6090CS8E#PBF" SOIC127P599X175-9N-R249X350 70.9,65 r0 top (schematic designator IC1)
IC1_20 "LTC6090CS8E#PBF" SOIC127P599X175-9N-R249X350 70.9,70.8 r0 top (schematic designator IC1)
IC1_21 "LTC6090CS8E#PBF" SOIC127P599X175-9N-R249X350 70.9,76.6 r0 top (schematic designator IC1)
IC1_22 "LTC6090CS8E#PBF" SOIC127P599X175-9N-R249X350 70.9,82.4 r0 top (schematic designator IC1)
IC1_23 "LTC6090CS8E#PBF" SOIC127P599X175-9N-R249X350 70.9,88.2 r0 top (schematic designator IC1)
IC1_24 "LTC6090CS8E#PBF" SOIC127P599X175-9N-R249X350 70.9,94 r0 top (schematic designator IC1)
IC1_25 "LTC6090CS8E#PBF" SOIC127P599X175-9N-R249X350 47.7,53.4 r0 top (schematic designator IC1)
IC1_26 "LTC6090CS8E#PBF" SOIC127P599X175-9N-R249X350 47.7,59.2 r0 top (schematic designator IC1)
IC1_27 "LTC6090CS8E#PBF" SOIC127P599X175-9N-R249X350 47.7,65 r0 top (schematic designator IC1)
IC1_28 "LTC6090CS8E#PBF" SOIC127P599X175-9N-R249X350 47.7,70.8 r0 top (schematic designator IC1)
IC1_29 "LTC6090CS8E#PBF" SOIC127P599X175-9N-R249X350 47.7,76.6 r0 top (schematic designator IC1)
IC1_30 "LTC6090CS8E#PBF" SOIC127P599X175-9N-R249X350 47.7,82.4 r0 top (schematic designator IC1)
IC1_31 "LTC6090CS8E#PBF" SOIC127P599X175-9N-R249X350 47.7,88.2 r0 top (schematic designator IC1)
IC1_32 "LTC6090CS8E#PBF" SOIC127P599X175-9N-R249X350 47.7,94 r0 top (schematic designator IC1)
IC2 "RS6-1215S" DCDC_RECOM_RS6 103.9,39.9 r90 top
IC3 "LM317MABDTG" DIODES-INC_TO-252-3L 85.598,15.697 r180 top
IC4 "RS6-1215S" DCDC_RECOM_RS6 103.9,17.31 r90 top
IC5 "RS6-1215S" DCDC_RECOM_RS6 103.8,62.71 r90 top
IC6 "LM337IMP/NOPB" SOT230P700X180-4N 86.284,63.297 r0 top
IC7 "RS6-1215S" DCDC_RECOM_RS6 103.8,85.85 r90 top
IC8 "LM75AIMM/NOPB" SOP65P490X109-8N 60.1,59.5 r180 bottom
IC9 "LM317MABDTG" DIODES-INC_TO-252-3L 120.9,22.6 r270 top
IC10 "LM75AIMM/NOPB" SOP65P490X109-8N 109.601,62.306 r270 bottom
IC11 "TMR 9-1223" DCDC_TRACO_TMR9WI 101.98,39.836 r90 top
IC12 "TMR 9-1223" DCDC_TRACO_TMR9WI 102.006,17.281 r90 top
IC13 "TMR 9-1223" DCDC_TRACO_TMR9WI 101.959,62.697 r90 top
IC14 "TMR 9-1223" DCDC_TRACO_TMR9WI 101.904,85.835 r90 top
J1 "D-SUB" TYCO_5787082-7 5.213,52.756 r270 top locked
J2 "ESW-113-23-L-D" SMTC-ESW-113-23-X-D 36.532,55.466 r90 bottom
J3 "Header 26" 3M_N2526-6002RB 21.763,29.706 r90 top locked
J4 "Header 26" 3M_N2526-6002RB 35.263,29.706 r90 top
J5 "Header 26" 3M_N2526-6002RB 35.263,70.706 r90 top locked
J6 "ESW-113-23-L-D" SMTC-ESW-113-23-X-D 36.532,14.466 r90 bottom
J7 "Header 26" 3M_N2526-6002RB 21.763,70.706 r90 top
J8 "ESW-113-23-L-D" SMTC-ESW-113-23-X-D 23.032,55.466 r90 bottom
J9 "ESW-113-23-L-D" SMTC-ESW-113-23-X-D 23.032,14.466 r90 bottom
J20 "Mini-Fit Jr.™" MOLEX_39-30-0040 113.15,89.7 r270 top
J26 "Jack" SWITCHCRAFT_712RA 118.6,77.5 r90 top
L1 "10uH" IND_MURATA-PS_8400 94.386,40.792 r270 top
L2_1 "600R@100MHz" INDC1005X55N 52.756,9.215 r180 bottom (schematic designator L2)
L2_2 "600R@100MHz" INDC1005X55N 52.756,15.015 r180 bottom (schematic designator L2)
L2_3 "600R@100MHz" INDC1005X55N 52.756,20.815 r180 bottom (schematic designator L2)
L2_4 "600R@100MHz" INDC1005X55N 52.756,26.615 r180 bottom (schematic designator L2)
L2_5 "600R@100MHz" INDC1005X55N 52.756,32.415 r180 bottom (schematic designator L2)
L2_6 "600R@100MHz" INDC1005X55N 52.756,38.215 r180 bottom (schematic designator L2)
L2_7 "600R@100MHz" INDC1005X55N 52.756,44.015 r180 bottom (schematic designator L2)
L2_8 "600R@100MHz" INDC1005X55N 52.756,49.815 r180 bottom (schematic designator L2)
L2_9 "600R@100MHz" INDC1005X55N 75.956,9.215 r180 bottom (schematic designator L2)
L2_10 "600R@100MHz" INDC1005X55N 75.956,15.015 r180 bottom (schematic designator L2)
L2_11 "600R@100MHz" INDC1005X55N 75.956,20.815 r180 bottom (schematic designator L2)
L2_12 "600R@100MHz" INDC1005X55N 75.956,26.615 r180 bottom (schematic designator L2)
L2_13 "600R@100MHz" INDC1005X55N 75.956,32.415 r180 bottom (schematic designator L2)
L2_14 "600R@100MHz" INDC1005X55N 75.956,38.215 r180 bottom (schematic designator L2)
L2_15 "600R@100MHz" INDC1005X55N 75.956,44.015 r180 bottom (schematic designator L2)
L2_16 "600R@100MHz" INDC1005X55N 75.956,49.815 r180 bottom (schematic designator L2)
L2_17 "600R@100MHz" INDC1005X55N 75.956,55.615 r180 bottom (schematic designator L2)
L2_18 "600R@100MHz" INDC1005X55N 75.956,61.415 r180 bottom (schematic designator L2)
L2_19 "600R@100MHz" INDC1005X55N 75.956,67.215 r180 bottom (schematic designator L2)
L2_20 "600R@100MHz" INDC1005X55N 75.956,73.015 r180 bottom (schematic designator L2)
L2_21 "600R@100MHz" INDC1005X55N 75.956,78.815 r180 bottom (schematic designator L2)
L2_22 "600R@100MHz" INDC1005X55N 75.956,84.615 r180 bottom (schematic designator L2)
L2_23 "600R@100MHz" INDC1005X55N 75.956,90.415 r180 bottom (schematic designator L2)
L2_24 "600R@100MHz" INDC1005X55N 75.956,96.215 r180 bottom (schematic designator L2)
L2_25 "600R@100MHz" INDC1005X55N 52.756,55.615 r180 bottom (schematic designator L2)
L2_26 "600R@100MHz" INDC1005X55N 52.756,61.415 r180 bottom (schematic designator L2)
L2_27 "600R@100MHz" INDC1005X55N 52.756,67.215 r180 bottom (schematic designator L2)
L2_28 "600R@100MHz" INDC1005X55N 52.756,73.015 r180 bottom (schematic designator L2)
L2_29 "600R@100MHz" INDC1005X55N 52.756,78.815 r180 bottom (schematic designator L2)
L2_30 "600R@100MHz" INDC1005X55N 52.756,84.615 r180 bottom (schematic designator L2)
L2_31 "600R@100MHz" INDC1005X55N 52.756,90.415 r180 bottom (schematic designator L2)
L2_32 "600R@100MHz" INDC1005X55N 52.756,96.215 r180 bottom (schematic designator L2)
L3 "10uH" IND_MURATA-PS_8400 94.539,30.124 r270 top
L4 "10uH" IND_MURATA-PS_8400 94.437,86.08 r270 top
L5 "10uH" IND_MURATA-PS_8400 94.386,75.133 r270 top
L18_1 "600R@100MHz" INDC1005X55N 42.7,4.7 r0 bottom (schematic designator L18)
L18_2 "600R@100MHz" INDC1005X55N 42.7,10.5 r0 bottom (schematic designator L18)
L18_3 "600R@100MHz" INDC1005X55N 42.7,16.3 r0 bottom (schematic designator L18)
L18_4 "600R@100MHz" INDC1005X55N 42.7,22.1 r0 bottom (schematic designator L18)
L18_5 "600R@100MHz" INDC1005X55N 42.7,27.9 r0 bottom (schematic designator L18)
L18_6 "600R@100MHz" INDC1005X55N 42.7,33.7 r0 bottom (schematic designator L18)
L18_7 "600R@100MHz" INDC1005X55N 42.7,39.5 r0 bottom (schematic designator L18)
L18_8 "600R@100MHz" INDC1005X55N 42.7,45.3 r0 bottom (schematic designator L18)
L18_9 "600R@100MHz" INDC1005X55N 65.9,4.7 r0 bottom (schematic designator L18)
L18_10 "600R@100MHz" INDC1005X55N 65.9,10.5 r0 bottom (schematic designator L18)
L18_11 "600R@100MHz" INDC1005X55N 65.9,16.3 r0 bottom (schematic designator L18)
L18_12 "600R@100MHz" INDC1005X55N 65.9,22.1 r0 bottom (schematic designator L18)
L18_13 "600R@100MHz" INDC1005X55N 65.9,27.9 r0 bottom (schematic designator L18)
L18_14 "600R@100MHz" INDC1005X55N 65.9,33.7 r0 bottom (schematic designator L18)
L18_15 "600R@100MHz" INDC1005X55N 65.9,39.5 r0 bottom (schematic designator L18)
L18_16 "600R@100MHz" INDC1005X55N 65.9,45.3 r0 bottom (schematic designator L18)
L18_17 "600R@100MHz" INDC1005X55N 65.9,51.1 r0 bottom (schematic designator L18)
L18_18 "600R@100MHz" INDC1005X55N 65.9,56.9 r0 bottom (schematic designator L18)
L18_19 "600R@100MHz" INDC1005X55N 65.9,62.7 r0 bottom (schematic designator L18)
L18_20 "600R@100MHz" INDC1005X55N 65.9,68.5 r0 bottom (schematic designator L18)
L18_21 "600R@100MHz" INDC1005X55N 65.9,74.3 r0 bottom (schematic designator L18)
L18_22 "600R@100MHz" INDC1005X55N 65.9,80.1 r0 bottom (schematic designator L18)
L18_23 "600R@100MHz" INDC1005X55N 65.9,85.9 r0 bottom (schematic designator L18)
L18_24 "600R@100MHz" INDC1005X55N 65.9,91.7 r0 bottom (schematic designator L18)
L18_25 "600R@100MHz" INDC1005X55N 42.7,51.1 r0 bottom (schematic designator L18)
L18_26 "600R@100MHz" INDC1005X55N 42.7,56.9 r0 bottom (schematic designator L18)
L18_27 "600R@100MHz" INDC1005X55N 42.7,62.7 r0 bottom (schematic designator L18)
L18_28 "600R@100MHz" INDC1005X55N 42.7,68.5 r0 bottom (schematic designator L18)
L18_29 "600R@100MHz" INDC1005X55N 42.7,74.3 r0 bottom (schematic designator L18)
L18_30 "600R@100MHz" INDC1005X55N 42.7,80.1 r0 bottom (schematic designator L18)
L18_31 "600R@100MHz" INDC1005X55N 42.7,85.9 r0 bottom (schematic designator L18)
L18_32 "600R@100MHz" INDC1005X55N 42.7,91.7 r0 bottom (schematic designator L18)
LD1 "Green/Green/HeRed/HeRed" LED_BIVAR_H485CHHGGDL 6.488,88.206 r0 top
R1_1 "150k" RESC1608X55N 45.3,7.1 r270 bottom (schematic designator R1)
R1_2 "150k" RESC1608X55N 45.3,12.9 r270 bottom (schematic designator R1)
R1_3 "150k" RESC1608X55N 45.3,18.7 r270 bottom (schematic designator R1)
R1_4 "150k" RESC1608X55N 45.3,24.5 r270 bottom (schematic designator R1)
R1_5 "150k" RESC1608X55N 45.3,30.3 r270 bottom (schematic designator R1)
R1_6 "150k" RESC1608X55N 45.3,36.1 r270 bottom (schematic designator R1)
R1_7 "150k" RESC1608X55N 45.3,41.9 r270 bottom (schematic designator R1)
R1_8 "150k" RESC1608X55N 45.3,47.7 r270 bottom (schematic designator R1)
R1_9 "150k" RESC1608X55N 68.5,7.1 r270 bottom (schematic designator R1)
R1_10 "150k" RESC1608X55N 68.5,12.9 r270 bottom (schematic designator R1)
R1_11 "150k" RESC1608X55N 68.5,18.7 r270 bottom (schematic designator R1)
R1_12 "150k" RESC1608X55N 68.5,24.5 r270 bottom (schematic designator R1)
R1_13 "150k" RESC1608X55N 68.5,30.3 r270 bottom (schematic designator R1)
R1_14 "150k" RESC1608X55N 68.5,36.1 r270 bottom (schematic designator R1)
R1_15 "150k" RESC1608X55N 68.5,41.9 r270 bottom (schematic designator R1)
R1_16 "150k" RESC1608X55N 68.5,47.7 r270 bottom (schematic designator R1)
R1_17 "150k" RESC1608X55N 68.5,53.5 r270 bottom (schematic designator R1)
R1_18 "150k" RESC1608X55N 68.5,59.3 r270 bottom (schematic designator R1)
R1_19 "150k" RESC1608X55N 68.5,65.1 r270 bottom (schematic designator R1)
R1_20 "150k" RESC1608X55N 68.5,70.9 r270 bottom (schematic designator R1)
R1_21 "150k" RESC1608X55N 68.5,76.7 r270 bottom (schematic designator R1)
R1_22 "150k" RESC1608X55N 68.5,82.5 r270 bottom (schematic designator R1)
R1_23 "150k" RESC1608X55N 68.5,88.3 r270 bottom (schematic designator R1)
R1_24 "150k" RESC1608X55N 68.5,94.1 r270 bottom (schematic designator R1)
R1_25 "150k" RESC1608X55N 45.3,53.5 r270 bottom (schematic designator R1)
R1_26 "150k" RESC1608X55N 45.3,59.3 r270 bottom (schematic designator R1)
R1_27 "150k" RESC1608X55N 45.3,65.1 r270 bottom (schematic designator R1)
R1_28 "150k" RESC1608X55N 45.3,70.9 r270 bottom (schematic designator R1)
R1_29 "150k" RESC1608X55N 45.3,76.7 r270 bottom (schematic designator R1)
R1_30 "150k" RESC1608X55N 45.3,82.5 r270 bottom (schematic designator R1)
R1_31 "150k" RESC1608X55N 45.3,88.3 r270 bottom (schematic designator R1)
R1_32 "150k" RESC1608X55N 45.3,94.1 r270 bottom (schematic designator R1)
R2_1 "30" RESC1608X55N 53.1,6.5 r0 top (schematic designator R2)
R2_2 "30" RESC1608X55N 53.1,12.3 r0 top (schematic designator R2)
R2_3 "30" RESC1608X55N 53.1,18.1 r0 top (schematic designator R2)
R2_4 "30" RESC1608X55N 53.1,23.9 r0 top (schematic designator R2)
R2_5 "30" RESC1608X55N 53.1,29.7 r0 top (schematic designator R2)
R2_6 "30" RESC1608X55N 53.1,35.5 r0 top (schematic designator R2)
R2_7 "30" RESC1608X55N 53.1,41.3 r0 top (schematic designator R2)
R2_8 "30" RESC1608X55N 53.1,47.1 r0 top (schematic designator R2)
R2_9 "30" RESC1608X55N 76.3,6.5 r0 top (schematic designator R2)
R2_10 "30" RESC1608X55N 76.3,12.3 r0 top (schematic designator R2)
R2_11 "30" RESC1608X55N 76.3,18.1 r0 top (schematic designator R2)
R2_12 "30" RESC1608X55N 76.3,23.9 r0 top (schematic designator R2)
R2_13 "30" RESC1608X55N 76.3,29.7 r0 top (schematic designator R2)
R2_14 "30" RESC1608X55N 76.3,35.5 r0 top (schematic designator R2)
R2_15 "30" RESC1608X55N 76.3,41.3 r0 top (schematic designator R2)
R2_16 "30" RESC1608X55N 76.3,47.1 r0 top (schematic designator R2)
R2_17 "30" RESC1608X55N 76.3,52.9 r0 top (schematic designator R2)
R2_18 "30" RESC1608X55N 76.3,58.7 r0 top (schematic designator R2)
R2_19 "30" RESC1608X55N 76.3,64.5 r0 top (schematic designator R2)
R2_20 "30" RESC1608X55N 76.3,70.3 r0 top (schematic designator R2)
R2_21 "30" RESC1608X55N 76.3,76.1 r0 top (schematic designator R2)
R2_22 "30" RESC1608X55N 76.3,81.9 r0 top (schematic designator R2)
R2_23 "30" RESC1608X55N 76.3,87.7 r0 top (schematic designator R2)
R2_24 "30" RESC1608X55N 76.3,93.5 r0 top (schematic designator R2)
R2_25 "30" RESC1608X55N 53.1,52.9 r0 top (schematic designator R2)